# Altium PCB rezerv.PcbDoc (part 2 of 2) (continued)
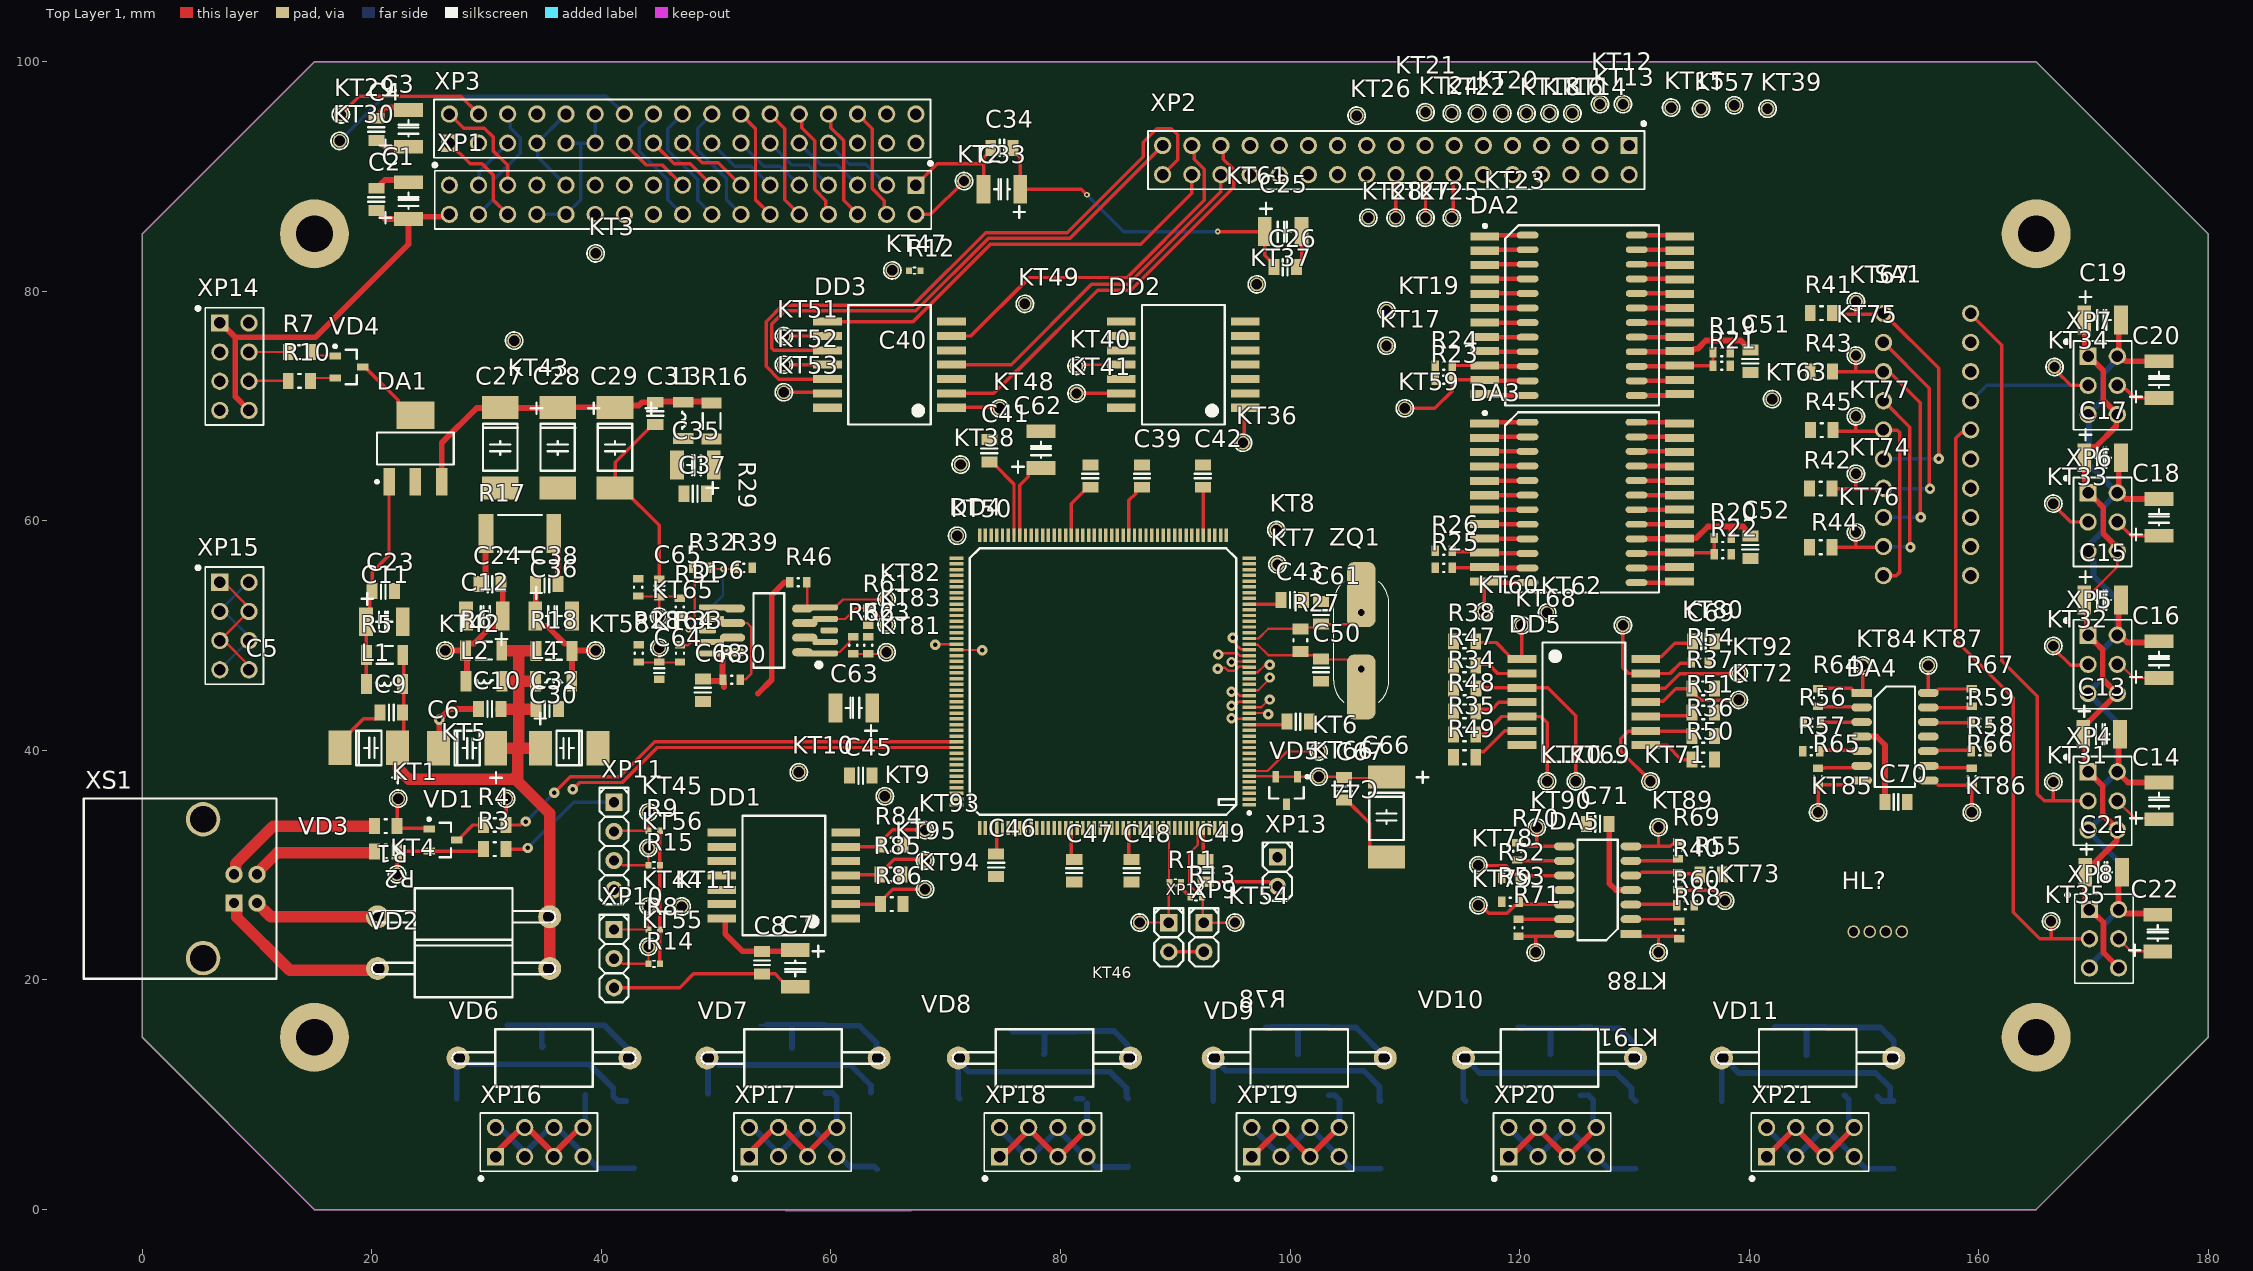
[diagram p0: Top Layer 1 view]
## Nets (pads, with @x,y where several pads share a name; then routed paths per layer and width w, separated by ;. In a path a pad name is that pad's centre, name@x,y a point inside that pad or via, vN(x,y) a via of type N, cw(c..) or ccw(c..) an arc to the next point about the centre after c; other vN are vias at no path point) (continued)
  Bottom Layer 1 w0.3: SA1.14@159.3,70.4 160.7,71.8 XP7.3@169.53,71.8
LEV_SYNC: C22.2 KT35.1 SA1.15 XP8.3 XP8.4 | length 58
  Top Layer 1 w0.2: XP8.4@172.185,23.588 173.285,22.488 C22.2@175.685,22.488
  Top Layer 1 w0.3: SA1.15@159.3,67.92 159.051,67.671 158.471,67.671 158,67.2 158,49.6 163,44.6 163,25.9 165.312,23.588 166.3,23.588 ; KT35.1@166.3,25.1 166.3,23.588 ; XP8.3@169.645,23.588 166.3,23.588
NetC11_2: C11.2 C23.2 DA1.1 L1.2 R5.2 | length 18.6
  Top Layer 1 w0.3: L1.2@19.525,45.8 19.525,45.725 19.5,45.7 C11.2@19.5,51.2 19.5,51.6 19.833,51.933 C23.2@19.833,53.9 ; C23.2@20.025,53.9 20.025,55.525 21.5,57 DA1.1@21.5,63.4
NetC53_2: C53.2 DA2.22 SA1.16
NetC54_2: C54.2 DA2.4 SA1.17
NetC55_2: C55.2 DA2.18 SA1.18
NetC56_2: C56.2 DA2.8 SA1.19
NetC57_2: C57.2 DA3.22 SA1.20
NetC58_2: C58.2 DA3.4
NetC59_2: C59.2 DA3.18
NetC60_2: C60.2 DA3.8
NetC64_2: C64.2 KT64.1 R28.2 R33.1 | length 4.9
  Top Layer 1 w0.2: R28.2@43.246,47.7 43.296,47.65 C64.2@45.046,47.65 ; KT64.1@45.046,48.95 C64.2@45.046,47.7 C64.2@45.046,47.65 ; R33.1@46.846,47.7 46.796,47.65 C64.2@45.046,47.65
NetC65_2: C65.2 KT65.1 R29.2 R31.1 | length 5.4
  Top Layer 1 w0.2: R29.2@43.246,53.35 43.296,53.4 C65.2@45.046,53.4 ; KT65.1@45.146,51.65 45.046,51.75 C65.2@45.046,53.4 ; R31.1@46.746,53.2 R31.1@46.746,53.25 ; R31.1@46.746,53.4 C65.2@45.046,53.4
NetC72_1: C72.1 R73.2 R88.1 VD6.A | length 20.9
  Bottom Layer 1 w0.5: R73.2@27.4,9.671 27.4,13.6 27.5,13.7 28.55,12.65 C72.1@34.8,12.65 38.95,12.65 41.043,10.557 41.043,9.85 41.443,9.45 R88.1@42.15,9.45
NetC72_2: C72.2 R72.2 R87.1 VD6.K | length 13.9
  Bottom Layer 1 w0.5: R72.2@31.8,16.05 34.8,16.05 ; C72.2@34.916,14.216 34.85,14.15 C72.2@34.8,14.15 34.8,16.05 ; VD6.K@42.5,13.7 42.6,13.7 40.25,16.05 37.4,16.05 34.8,16.05
NetC73_1: C73.1 R75.2 R90.1 VD7.A | length 19.2
  Bottom Layer 1 w0.5: 49.3,10.1 49.3,13.2 49.2,13.3 49.543,13.3 50.243,12.6 56.6,12.6 61.7,12.6 63.5,10.8 63.5,10.187
NetC73_2: C73.2 R74.2 R89.1 VD7.K | length 14.2
  Bottom Layer 1 w0.2: R74.2@53.8,16.05 54.35,16.05 R74.2@54.4,16.1 ; R89.1@59.45,16.1 R89.1@59.5,16.05
  Bottom Layer 1 w0.5: R74.2@54.4,16.1 56.6,16.1 ; C73.2@56.6,14.05 56.6,16.1 ; R89.1@59.45,16.1 56.6,16.1 ; R89.1@59.5,16.05 59.55,16 62.5,16 63.963,14.537 63.963,13.537 VD7.K@64.2,13.3
NetC74_1: C74.1 R77.2 R92.1 VD8.A | length 20.3
  Bottom Layer 1 w0.5: VD8.A@71.1,13.3 VD8.A@71.1,12.894 ; R77.2@71.2,9.65 71.1,9.75 VD8.A@71.1,12.894 ; 71.7,12.293 71.993,12 78.632,12 84.3,12 85.743,10.557 85.743,9.807 R92.1@85.9,9.65 ; 71.7,12.294 VD8.A@71.1,12.894
NetC74_2: C74.2 R76.2 R91.1 VD8.K | length 13.8
  Bottom Layer 1 w0.5: R76.2@75.794,15.548 75.842,15.5 78.7,15.5 ; C74.2@78.532,13.53 78.6,13.598 78.6,15.4 78.7,15.5 ; VD8.K@86.1,13.3 85.813,13.587 85.813,14.387 84.652,15.548 81.405,15.548 81.358,15.5 78.7,15.5
NetC75_1: C75.1 R79.2 R94.1 VD9.A | length 20.6
  Bottom Layer 1 w0.5: R79.2@93.3,9.45 93.3,9.6 VD9.A@93.3,13.2 94.4,12.1 106.4,12.1 107.8,10.7 107.8,9.5 107.85,9.45 R94.1@107.9,9.45
NetC75_2: C75.2 R78.2 R93.1 VD9.K | length 14
  Bottom Layer 1 w0.5: R78.2@97.9,15.85 98.35,15.85 98.4,15.9 100.8,15.9 ; C75.2@100.7,13.53 100.7,15.8 100.8,15.9 ; VD9.K@108.3,13.2 108.3,13.3 105.75,15.85 R93.1@103.4,15.85 103.35,15.9 100.8,15.9
NetC76_1: C76.1 R81.2 R96.1 VD10.A | length 20.8
  Bottom Layer 1 w0.5: R81.2@115.3,9.45 115.1,9.65 VD10.A@115.1,13.2 115.2,13.2 116.5,11.9 122.8,11.9 128.4,11.9 129.743,10.557 129.743,9.807 R96.1@130.1,9.45
NetC76_2: C76.2 R80.2 R95.1 VD10.K | length 14.3
  Bottom Layer 1 w0.5: R80.2@119.9,15.85 120.45,15.85 120.5,15.8 122.7,15.8 ; C76.2@122.7,13.55 122.7,15.8 ; VD10.K@130.1,13.2 129.963,13.337 129.963,14.537 128.7,15.8 126.3,15.8 126.25,15.85 R95.1@125.3,15.85 125.25,15.8 122.7,15.8
NetC77_1: C77.1 R83.2 R98.1 VD11.A | length 22.3
  Bottom Layer 1 w0.5: R83.2@137.6,9.45 VD11.A@137.6,13.2 137.8,13.2 139.1,11.9 151,11.9 152.3,10.6 152.3,9.5 R98.1@152.35,9.45 ; R98.1@151.15,9.85 151.55,9.45 R98.1@152.35,9.45 ; R98.1@152.6,9.45 R98.1@152.35,9.45
NetC77_2: C77.2 R82.2 R97.1 VD11.K | length 14.9
  Bottom Layer 1 w0.5: R82.2@142.2,15.85 142.25,15.9 145,15.9 ; C77.2@145,13.45 145,15.9 ; VD11.K@152.6,13.2 152.6,14.7 151.45,15.85 R97.1@147.7,15.85 146.75,15.85 146.7,15.9 145,15.9
NetDA2_10: DA2.10 R24.1 | length 3
  Top Layer 1 w0.3: R24.1@113.98,73.53 DA2.10@116.95,73.53
NetDA2_15: DA2.15 R19.2 R21.2 | length 4.1
  Top Layer 1 w0.2: DA2.15@133.95,73.53 DA2.15@133.98,73.5
  Top Layer 1 w0.3: DA2.15@133.98,73.5 R21.2@136.85,73.5 R19.2@136.85,74.7
NetDA3_10: DA3.10 R26.1 | length 2.9
  Top Layer 1 w0.2: R26.1@114.15,57.4 R26.1@114.25,57.3 ; DA3.10@116.864,57.3 DA3.10@116.936,57.229
  Top Layer 1 w0.3: R26.1@114.25,57.3 DA3.10@116.864,57.3
NetDA3_15: DA3.15 R20.2 R22.2 | length 4.5
  Top Layer 1 w0.2: R22.2@136.821,57.229 R22.2@136.95,57.1
  Top Layer 1 w0.3: DA3.15@133.936,57.229 R22.2@136.821,57.229 ; R22.2@136.95,57.1 R20.2@136.95,58.5
NetDA4_2: DA4.2 R47.1 R64.1 | length 4.1
  Top Layer 1 w0.2: R64.1@145.7,43.85 145.75,43.85 R64.1@145.8,43.8 ; DA4.2@149.74,43.8 DA4.2@149.8,43.74
  Top Layer 1 w0.3: R64.1@145.8,43.8 DA4.2@149.74,43.8
NetDA4_3: DA4.3 R41.1 R56.2 | length 3.6
  Top Layer 1 w0.3: R56.2@146.2,42.47 DA4.3@149.8,42.47
NetDA4_5: DA4.5 R42.1 R57.2 | length 3.7
  Top Layer 1 w0.2: R57.2@146.15,39.921 R57.2@146.229,40 ; DA4.5@149.73,40 DA4.5@149.8,39.93
  Top Layer 1 w0.3: R57.2@146.229,40 DA4.5@149.73,40
NetDA4_6: DA4.6 R48.1 R65.1 | length 3.4
  Top Layer 1 w0.3: 146.5,38.45 146.55,38.5 148.982,38.5 149.142,38.66 DA4.6@149.8,38.66
NetDA4_9: DA4.9 R49.1 R66.1 | length 4.2
  Top Layer 1 w0.3: DA4.9@155.6,38.66 156.258,38.66 156.418,38.5 159.65,38.5 R66.1@159.7,38.45
NetDA4_10: DA4.10 R43.1 R58.2 | length 3.6
  Top Layer 1 w0.2: DA4.10@155.6,39.93 155.73,39.93 DA4.10@155.8,40
  Top Layer 1 w0.3: DA4.10@155.8,40 R58.2@159.2,40
NetDA4_12: DA4.12 R44.1 R59.2 | length 3.8
  Top Layer 1 w0.2: DA4.12@155.6,42.47 156.03,42.47 DA4.12@156.1,42.4
  Top Layer 1 w0.3: DA4.12@156.1,42.4 R59.2@159.35,42.4
NetDA4_13: DA4.13 R50.1 R67.1 | length 3.9
  Top Layer 1 w0.2: DA4.13@155.6,43.74 155.86,43.74 DA4.13@155.9,43.7
  Top Layer 1 w0.3: DA4.13@155.9,43.7 R67.1@159.5,43.7
NetDA5_2: DA5.2 R51.1 R68.1 | length 4.2
  Top Layer 1 w0.2: DA5.2@129.7,25.29 133.79,25.29 133.8,25.3 R68.1@133.9,25.3
NetDA5_3: DA5.3 R45.1 R60.2 | length 4
  Top Layer 1 w0.2: DA5.3@129.7,26.56 DA5.3@129.74,26.6
  Top Layer 1 w0.3: DA5.3@129.74,26.6 R60.2@133.7,26.6
NetDA5_5: DA5.5 R40.1 R55.2 | length 6
  Top Layer 1 w0.2: R40.1@133.8,29.35 R40.1@133.9,29.25 ; R55.2@135.675,29.25 R55.2@135.725,29.2
  Top Layer 1 w0.3: DA5.5@129.7,29.1 130.326,29.1 130.626,29.4 R40.1@133.556,29.4 ; R40.1@133.9,29.25 R55.2@135.75,29.25
NetDA5_6: DA5.6 R69.2 | length 4.1
  Top Layer 1 w0.2: R69.2@133.72,30.37 R69.2@133.8,30.45
  Top Layer 1 w0.3: DA5.6@129.7,30.37 R69.2@133.72,30.37
NetDA5_8: DA5.8 KT90.1 R70.1 | length 5.9
  Top Layer 1 w0.3: R70.1@119.8,32 119.925,32 120.15,31.775 120.15,31.757 120.267,31.64 121.5,31.64 ; KT90.1@121.5,33.3 121.5,31.64 ; DA5.8@123.9,31.64 121.5,31.64
NetDA5_9: DA5.9 R70.2 | length 4.2
  Top Layer 1 w0.2: R70.2@119.8,30.5 R70.2@119.9,30.4 ; DA5.9@123.87,30.4 DA5.9@123.9,30.37
  Top Layer 1 w0.3: R70.2@119.9,30.4 DA5.9@123.87,30.4
NetDA5_10: DA5.10 KT78.1 R52.1 | length 8
  Top Layer 1 w0.3: KT78.1@116.4,30 116.428,29.972 118.807,29.972 119.579,29.2 119.775,29.2 R52.1@119.95,29.025 ; R52.1@119.95,28.9 120.122,29.072 121.578,29.072 123.872,29.072 DA5.10@123.9,29.1
NetDA5_12: DA5.12 KT79.1 R53.1 | length 8.4
  Top Layer 1 w0.3: KT79.1@116.4,26.5 116.6,26.5 117.3,25.8 118.9,25.8 119.6,26.5 119.775,26.5 119.95,26.675 R53.1@119.95,26.8 120.15,26.6 123.86,26.6 DA5.12@123.9,26.56
NetDA5_13: DA5.13 R71.2 | length 4
  Top Layer 1 w0.3: R71.2@119.9,25.3 123.8,25.3 123.81,25.29 DA5.13@123.9,25.29
NetDA5_14: DA5.14 KT91.1 R71.1 | length 5.3
  Top Layer 1 w0.3: R71.1@119.9,23.8 121.4,23.8 ; KT91.1@121.4,22.6 121.4,23.8 ; DA5.14@123.9,24.02 123.242,24.02 123.022,23.8 121.4,23.8
NetDD5_2: DD5.2 R47.2 | length 4.6
  Top Layer 1 w0.3: R47.2@116.175,47.1 116.175,47.175 116.5,47.5 117.3,47.5 118.1,46.7 DD5.2@120.2,46.7
NetDD5_4: DD5.4 R48.2 | length 4.5
  Top Layer 1 w0.3: R48.2@116.175,43.2 116.175,43.275 116.5,43.6 117.6,43.6 118.2,44.2 DD5.4@120.2,44.2
NetDD5_6: DD5.6 R49.2 | length 4.9
  Top Layer 1 w0.3: R49.2@116.175,39.7 116.368,39.893 116.893,39.893 118.7,41.7 DD5.6@120.2,41.7
NetDD5_8: DD5.8 R50.2 | length 4.5
  Top Layer 1 w0.3: DD5.8@131,40.45 132.85,40.45 134.1,39.2 R50.2@135.025,39.2
NetDD5_10: DD5.10 R51.2 | length 4.4
  Top Layer 1 w0.2: DD5.10@131,42.95 DD5.10@131.05,43 ; R51.2@134.8,43 R51.2@135.2,43.4
  Top Layer 1 w0.3: DD5.10@131.05,43 R51.2@134.8,43
NetDD5_12: DD5.12 KT92.1 | length 8.5
  Top Layer 1 w0.3: DD5.12@131,45.45 131.05,45.4 132.7,45.4 133.959,46.659 KT92.1@138.95,46.659
NetDD5_13: DD5.13 KT80.1 R54.1 | length 10.4
  Top Layer 1 w0.3: KT80.1@129,50.9 129,47.2 129.5,46.7 DD5.13@131,46.7 133.1,46.7 134,47.6 R54.1@135.1,47.6
NetDD6_1: DD6.1 R62.2 | length 4
  Top Layer 1 w0.2: DD6.1@59.498,48.45 DD6.1@59.096,48.45 59.222,48.576 60.772,48.576 61.622,49.426 61.622,49.675 61.847,49.9 R62.2@61.946,49.9
NetDD6_6: DD6.6 R30.2 R31.2 R32.1 | length 14.4
  Top Layer 1 w0.2: R31.2@46.896,51.85 47.446,51.85 47.846,51.45 48.146,51.45 ; R32.1@47.95,55.9 48.146,55.704 48.146,51.45 ; DD6.6@49.596,51.45 48.146,51.45 ; DD6.6@51.421,51.09 52.706,51.09 53.046,50.75 53.046,46.65 52.604,46.208 52.154,46.208 R30.2@52.096,46.15
NetDD6_7: DD6.7 R32.2 R33.2 R39.1 | length 12.9
  Top Layer 1 w0.2: R33.2@46.846,49.2 46.896,49.15 47.546,49.15 47.846,49.45 ; v2(47.6,50.5) 47.846,50.254 47.846,49.45 ; R32.2@49.45,55.9 49.55,55.8 v2(50.6,55.8) 51.55,55.8 R39.1@51.65,55.9 ; DD6.7@49.596,49.45 47.846,49.45
  Bottom Layer 1 w0.2: v2(47.6,50.5) 50.6,53.5 v2(50.6,55.8)
NetHL?_1: HL?.1 R85.1
NetHL?_2: HL?.2 R84.1
NetHL?_4: HL?.4 R86.1
NetKT2_1: KT2.1 XP1.2 | length 5.4
  Top Layer 1 w0.3: XP1.2@67.4,86.7 68.7,86.7 KT2.1@71.6,89.6
NetKT3_1: KT3.1 XP1.23
NetKT29_1: KT29.1 XP3.4 | length 13.3
  Top Layer 1 w0.3: KT29.1@17.3,95.4 18.9,97 27.74,97 XP3.4@29.3,95.44
NetKT30_1: KT30.1 XP3.14 | length 27.1
  Bottom Layer 1 w0.3: KT30.1@17.2,93.1 21.1,97 40.44,97 41.94,95.5 42,95.5 XP3.14@42,95.44
NetKT67_1: KT67.1 R41.2 SA1.1 SA1.6 | length 25.1
  Top Layer 1 w0.3: R41.2@147.275,78.1 147.375,78 149.3,78 ; KT67.1@149.3,79.1 149.3,78 ; v1(156.513,65.397) 156.5,65.41 156.5,73.28 SA1.1@151.7,78.08 151.62,78 149.3,78
  Bottom Layer 1 w0.3: SA1.6@151.7,65.38 151.72,65.4 156.51,65.4 v1(156.513,65.397)
NetKT74_1: KT74.1 R42.2 SA1.2 SA1.7 | length 24.3
  Top Layer 1 w0.3: R42.2@147.2,62.8 149.3,62.8 ; KT74.1@149.3,64.1 149.3,62.8 ; SA1.7@151.7,62.84 151.66,62.8 149.3,62.8 ; SA1.2@151.7,75.54 155.7,71.54 155.7,62.85 v1(155.75,62.8)
  Bottom Layer 1 w0.2: SA1.7@151.7,62.84 SA1.7@151.74,62.8
  Bottom Layer 1 w0.3: SA1.7@151.74,62.8 v1(155.75,62.8)
NetKT75_1: KT75.1 R43.2 SA1.3 SA1.8 | length 23.3
  Top Layer 1 w0.3: R43.2@147.275,73 149.3,73 SA1.3@151.7,73 151.93,72.77 152.43,72.77 154.9,70.3 v1@154.9,60.339 ; 149.3,73.1 KT75.1@149.3,74.4
  Bottom Layer 1 w0.3: SA1.8@151.7,60.3 v1(154.95,60.3)
NetKT76_1: KT76.1 R44.2 SA1.4 SA1.9 | length 21.9
  Top Layer 1 w0.2: SA1.9@151.64,57.7 SA1.9@151.7,57.76
  Top Layer 1 w0.3: R44.2@147.2,57.7 149.3,57.7 SA1.9@151.64,57.7 ; 149.3,57.8 KT76.1@149.3,59 ; SA1.4@151.7,70.46 154,68.16 v1@154,57.7
  Bottom Layer 1 w0.2: SA1.9@151.67,57.73 SA1.9@151.7,57.76 ; v1@154.02,57.73 v1(154.05,57.7)
  Bottom Layer 1 w0.3: SA1.9@151.67,57.73 v1@154.02,57.73
NetKT77_1: KT77.1 R45.2 SA1.5 SA1.10 | length 21
  Top Layer 1 w0.3: R45.2@147.3,67.9 147.4,67.8 149.3,67.8 ; KT77.1@149.3,69.1 149.3,67.8 ; SA1.10@151.7,55.22 152.82,55.22 153.1,55.5 153.1,67.7 152.9,67.9 151.7,67.9 SA1.5@151.7,67.92 151.58,67.8 149.3,67.8
NetR1_1: R1.1 XS1.2 | length 14.3
  Top Layer 1 w1: XS1.2@8,29.2 8.133,29.333 8.133,30.133 11.4,33.4 R1.1@20.125,33.4
NetR2_1: R2.1 XS1.3 | length 11.2
  Top Layer 1 w1: XS1.3@10,29.2 10,29.325 11.775,31.1 20.2,31.1 20.2,31.175 R2.1@20.225,31.2
NetR7_1: R7.1 XP14.4 XP14.5 | length 7
  Top Layer 1 w0.2: XP14.4@9.3,74.7 R7.1@12.725,74.7
  Signal1 w0.3: XP14.5@6.76,72.16 XP14.4@9.3,74.7
NetR10_1: R10.1 XP14.3 XP14.6 | length 7
  Top Layer 1 w0.2: XP14.6@9.3,72.16 9.34,72.2 R10.1@12.725,72.2
  Signal2 w0.3: XP14.3@6.76,74.7 XP14.6@9.3,72.16
NetR28_1: R28.1 XP15.2 XP15.3 XP15.6 XP15.7 | length 10.7
  Bottom Layer 1 w0.2: XP15.7@6.923,47.223 9.38,49.68 9.38,49.846 6.996,52.23 6.996,52.396 9.443,54.843 XP15.2@9.463,54.843
NetR29_1: R29.1 XP15.1 XP15.4 XP15.5 XP15.8 | length 10.6
  Top Layer 1 w0.2: XP15.1@6.923,54.843 9.4,52.366 9.4,52.2 7.026,49.826 7.026,49.66 XP15.8@9.463,47.223
NetR87_2: R87.2 XP16.1 XP16.4 XP16.5 XP16.8 | length 13.6
  Top Layer 1 w0.5: XP16.1@30.78,4.9 31.43,5.55 31.46,5.55 XP16.4@33.32,7.41 ; XP16.4@33.32,7.44 XP16.4@33.32,7.41 ; XP16.8@38.4,7.44 38.4,7.4 35.9,4.9 35.86,4.9 35.8,4.9 33.32,7.38 XP16.4@33.32,7.41
  Bottom Layer 1 w0.2: XP16.8@38.4,7.44 XP16.8@38.6,7.64 ; R87.2@38.6,10 R87.2@38.7,10.1
  Bottom Layer 1 w0.5: XP16.8@38.6,7.64 R87.2@38.6,10
NetR88_2: R88.2 XP16.2 XP16.3 XP16.6 XP16.7 | length 16
  Bottom Layer 1 w0.5: XP16.2@30.78,7.44 30.78,7.48 30.8,7.5 33.32,4.98 XP16.3@33.32,4.92 ; XP16.3@33.32,4.9 33.3,4.9 XP16.3@33.32,4.92 ; R88.2@42.87,3.6 39.719,3.6 39.12,4.199 39.072,4.199 38.419,4.851 38.419,4.9 38.4,4.9 35.86,7.44 35.84,7.44 XP16.3@33.32,4.92
NetR89_2: R89.2 XP17.1 XP17.4 XP17.5 XP17.8 | length 14.2
  Top Layer 1 w0.5: XP17.1@52.89,4.93 53.39,5.43 55.43,7.47 57.97,4.93 XP17.8@60.51,7.47
  Bottom Layer 1 w0.5: R89.2@59.5,10.15 60.11,10.15 60.51,9.75 XP17.8@60.51,7.47
NetR90_2: R90.2 XP17.2 XP17.3 XP17.6 XP17.7 | length 15
  Bottom Layer 1 w0.5: XP17.2@52.89,7.47 55.43,4.93 55.53,4.93 58,7.4 57.97,7.43 57.97,7.47 60.51,4.93 60.51,4.871 61.643,3.738 63.77,3.738 R90.2@64.008,3.5
NetR91_2: R91.2 XP18.1 XP18.4 XP18.5 XP18.8 | length 13.9
  Top Layer 1 w0.5: XP18.1@74.69,4.43 74.69,4.41 74.7,4.4 74.7,4.44 75.19,4.93 75.23,4.93 77.23,6.93 77.23,6.97 77.27,6.97 77.3,7 79.77,4.53 XP18.5@79.77,4.47 ; XP18.5@79.77,4.43 79.74,4.4 79.7,4.4 XP18.5@79.77,4.47 ; XP18.8@82.31,6.97 82.27,6.97 XP18.5@79.77,4.47
  Bottom Layer 1 w0.5: R91.2@81.405,9.648 R91.2@81.91,9.648 ; XP18.8@82.31,6.97 82.31,9.248
NetR92_2: R92.2 XP18.2 XP18.3 XP18.6 XP18.7 | length 14.8
  Bottom Layer 1 w0.5: XP18.2@74.69,6.97 74.69,6.99 74.7,7 77.23,4.47 77.23,4.43 79.77,6.97 82.31,4.43 82.31,4.41 82.3,4.4 82.403,4.4 83.103,3.7 85.85,3.7 R92.2@85.9,3.75
NetR93_2: R93.2 XP19.1 XP19.4 XP19.5 XP19.8 | length 14.3
  Top Layer 1 w0.5: XP19.1@96.66,4.6 97.31,5.25 97.35,5.25 XP19.4@99.2,7.1 ; XP19.4@99.2,7.14 XP19.4@99.2,7.1 ; XP19.8@104.28,7.14 104.24,7.14 101.74,4.64 XP19.5@101.74,4.6 101.7,4.6 XP19.4@99.2,7.1
  Bottom Layer 1 w0.5: R93.2@103.4,9.95 103.9,9.95 104.3,9.55 104.3,7.16 XP19.8@104.28,7.14
NetR94_2: R94.2 XP19.2 XP19.3 XP19.6 XP19.7 | length 14.9
  Bottom Layer 1 w0.5: XP19.2@96.66,7.14 XP19.3@99.2,4.6 XP19.6@101.7,7.1 ; XP19.6@101.74,7.14 XP19.6@101.7,7.1 ; XP19.7@104,4.7 104.1,4.6 XP19.7@104.28,4.6 105.33,3.55 R94.2@107.9,3.55 ; XP19.7@104.09,4.79 101.78,7.1 XP19.6@101.7,7.1
NetR95_2: R95.2 XP20.1 XP20.4 XP20.5 XP20.8 | length 14.7
  Top Layer 1 w0.5: XP20.1@119.06,4.6 119.56,5.1 119.7,5.1 121.6,7 XP20.4@121.6,7.07 ; XP20.4@121.6,7.14 XP20.4@121.6,7.07 ; XP20.8@126.68,7.14 126.68,7.08 124.14,4.54 XP20.5@124.14,4.6 124.07,4.6 XP20.4@121.6,7.07
  Bottom Layer 1 w0.5: R95.2@125.3,9.95 126.007,9.95 126.407,9.55 126.407,7.683 126.68,7.411 XP20.8@126.68,7.14
NetR96_2: R96.2 XP20.2 XP20.3 XP20.6 XP20.7 | length 14.7
  Bottom Layer 1 w0.5: XP20.2@119.06,7.14 XP20.3@121.6,4.6 XP20.6@124.14,7.14 124.16,7.14 XP20.7@126.68,4.62 ; XP20.7@126.68,4.6 XP20.7@126.68,4.62 ; R96.2@130.1,3.55 127.75,3.55 XP20.7@126.68,4.62
NetR97_2: R97.2 XP21.1 XP21.4 XP21.5 XP21.8 | length 14
  Top Layer 1 w0.5: XP21.1@141.52,4.6 141.5,4.6 142.15,5.25 142.17,5.25 XP21.4@144.01,7.09 ; XP21.4@144.06,7.14 144.04,7.14 144,7.1 XP21.4@144.01,7.09 ; XP21.8@149.14,7.14 XP21.5@146.6,4.6 146.5,4.6 XP21.4@144.01,7.09
  Bottom Layer 1 w0.5: R97.2@148.307,9.95 148.674,9.583 148.674,7.876 149.14,7.411 XP21.8@149.14,7.14
NetR98_2: R98.2 XP21.2 XP21.3 XP21.6 XP21.7 | length 14.8
  Bottom Layer 1 w0.5: XP21.2@141.52,7.14 141.52,7.12 141.5,7.1 144,4.6 XP21.3@144.06,4.6 144.1,4.6 146.6,7.1 XP21.6@146.6,7.12 ; XP21.6@146.6,7.14 XP21.6@146.6,7.12 ; XP21.7@149.14,4.6 XP21.7@149.12,4.6 ; R98.2@152.6,3.55 150.17,3.55 XP21.7@149.12,4.6 ; XP21.6@146.6,7.12 XP21.7@149.12,4.6
NetVD2_A: VD2.A XS1.1 | length 15.6
  Top Layer 1 w1: XS1.1@8,26.7 8.25,26.45 8.25,25.45 12.858,20.842 20.342,20.842 VD2.A@20.5,21
NRST: DD4.31 KT47.1 R12.2 XP1.24 XP3.29 XP13.1
OTG_FS_DM: DD4.122 KT1.1 R1.2 VD1.K1 | length 54.4
  Top Layer 1 w0.2: R1.2@22.2,33.4 R1.2@22.4,33.2
  Top Layer 1 w0.3: R1.2@22.2,33.4 KT1.1@22.2,35.5 ; R1.2@22.4,33.2 23.65,33.2 VD1.K1@24.9,33.2 ; v1(37.5,36.6) 38.1,37.2 41.807,37.2 44.857,40.25 DD4.122@70.95,40.25
  Signal2 w0.3: v3(23.7,34.7) 35.6,34.7 v1(37.5,36.6)
OTG_FS_DP: DD4.123 KT4.1 R2.2 R3.2 VD1.K2 | length 9.2
  Top Layer 1 w0.2: R2.2@22.175,31.2 R2.2@22.2,31.175
  Top Layer 1 w0.3: KT4.1@22.2,29.2 22.2,31.175 R2.2@22.2,31.375 ; R2.2@22.6,31.2 VD1.K2@24.8,31.2 ; VD1.K2@25,31.25 25.05,31.2 29.525,31.2 R3.2@29.725,31.4
OTG_FS_ID: DD4.121 KT5.1 R4.2 | length 44.5
  Top Layer 1 w0.2: R4.2@31.675,33.5 R4.2@31.7,33.525
  Top Layer 1 w0.3: R4.2@31.675,33.5 32.938,33.5 33.238,33.8 v1(33.4,33.8) ; R4.2@31.7,33.525 KT5.1@31.7,35.7 ; v1(35.9,36.3) 37.3,37.7 41.6,37.7 44.65,40.75 DD4.121@70.95,40.75
  Bottom Layer 1 w0.3: v1(33.4,33.8) v1(35.9,36.3)
OUT_CH1(1): DA4.1 KT84.1 R64.2 R72.1 | length 6.8
  Top Layer 1 w0.2: DA4.1@149.8,45.01 DA4.1@149.9,45.11
  Top Layer 1 w0.3: R64.2@145.7,45.35 145.7,45.4 148.883,45.4 149,45.283 149,45.26 149.25,45.01 DA4.1@149.8,45.01 ; DA4.1@149.9,45.11 KT84.1@149.9,47.4
OUT_CH1(2): DA4.8 KT86.1 R66.2 R76.1 | length 6.3
  Top Layer 1 w0.3: DA4.8@155.6,37.39 156.024,37.39 156.464,36.95 R66.2@159.4,36.95 KT86.1@159.4,34.6
OUT_CH2(1): DA4.7 KT85.1 R65.2 R74.1 | length 6.2
  Top Layer 1 w0.3: KT85.1@146,34.6 R65.2@146,36.95 ; R65.2@146.1,37 148.8,37 149.19,37.39 DA4.7@149.8,37.39
OUT_CH2(2): DA4.14 KT87.1 R67.2 R78.1 | length 6
  Top Layer 1 w0.3: KT87.1@155.6,47.4 DA4.14@155.6,45.01 156.177,45.01 156.517,45.35 R67.2@159.05,45.35
OUT_SYNC: DA5.1 KT88.1 R68.2 R80.1 | length 5.7
  Top Layer 1 w0.3: DA5.1@129.7,24.02 129.92,23.8 132.1,23.8 ; KT88.1@132.1,22.4 132.1,23.8 ; R68.2@133.9,23.8 132.1,23.8
PDR_ON: DD4.171 KT54.1 R13.2 XP9.1 | length 11.8
  Top Layer 1 w0.2: DD4.171@91.95,33.25 91.95,31.75 91.2,31 91.2,28.3 92.125,27.375 92.15,27.375 92.3,27.225 R13.2@92.3,27.2 92.4,27.1 92.4,25.083 XP9.1@92.495,24.988 95.188,24.988 KT54.1@95.2,25
PULSE_CH1(1): DD4.138 DD5.1 KT68.1 R38.1 | length 7.7
  Top Layer 1 w0.3: R38.1@116.175,49.5 116.275,49.4 117.954,49.4 119.1,48.254 119.1,48.15 119.3,47.95 DD5.1@120.2,47.95 KT68.1@120.2,50.9
PULSE_CH1(2): DD4.161 DD5.5 KT70.1 R35.1 | length 12.2
  Top Layer 1 w0.3: R35.1@116.175,41.4 116.9,41.4 118.45,42.95 DD5.5@120.2,42.95 121.85,42.95 122.4,42.4 KT70.1@122.4,37.3
PULSE_CH2(1): DD4.40 DD5.3 KT69.1 R34.1 | length 15.4
  Top Layer 1 w0.3: R34.1@116.2,45.4 116.25,45.45 DD5.3@120.2,45.45 122.45,45.45 124.9,43 KT69.1@124.9,37.3
PULSE_CH2(2): DD4.41 DD5.9 KT71.1 R36.1 | length 11.5
  Top Layer 1 w0.3: KT71.1@131.4,37.3 131.4,37.343 128.821,39.921 128.821,41.021 129.476,41.676 131,41.676 134.7,41.676 135.025,41.351 R36.1@135.025,41.256
PULSE_SYNC: DD4.164 DD5.11 KT72.1 R37.1 | length 9.2
  Top Layer 1 w0.3: DD5.11@131,44.2 131.09,44.29 132.524,44.29 133.601,45.367 134.992,45.367 R37.1@135.025,45.4 135.35,45.075 135.35,44.818 135.818,44.35 137.595,44.35 137.612,44.367 139.067,44.367 KT72.1@139.1,44.4
RCC_OSC_IN: C50.2 DD4.29 R27.2 ZQ1.2 | length 10.4
  Top Layer 1 w0.2: DD4.29@96.45,49.25 96.487,49.213 97.187,49.213 98.1,48.3 R27.2@100.2,48.3 ; R27.2@100.675,48.4 R27.2@100.9,48.625 ; R27.2@100.9,48.3 102.375,48.3 C50.2@102.7,47.975 102.758,47.917 105.014,47.917 105.056,47.876 105.456,47.876 ZQ1.2@106.282,47.05
RCC_OSC_OUT: C61.2 DD4.30 R27.1 ZQ1.1 | length 10.8
  Top Layer 1 w0.2: DD4.30@96.45,49.75 97.25,49.75 98.1,50.6 100.7,50.6 100.8,50.7 100.9,50.7 102.375,50.7 C61.2@102.7,51.025 102.975,51.025 103,51 105.047,51 ZQ1.1@105.997,51.95 ; ZQ1.1@105.916,52 ZQ1.1@106.2,52
RS485_DI: DD4.42 DD6.4 KT82.1 R46.2 | length 9.4
  Top Layer 1 w0.2: R46.2@57.896,54.65 57.946,54.6 57.946,52.55 58.046,52.45 DD6.4@59.096,52.45 60.346,52.45 61.046,53.15 KT82.1@64.846,53.15
RS485_EN: DD4.119 DD6.2 DD6.3 KT83.1 R61.2 | length 6.4
  Top Layer 1 w0.2: DD6.3@59.496,51.45 61.246,51.45 62.196,52.4 R61.2@63.246,52.4 63.496,52.4 63.546,52.35 63.546,52.225 63.596,52.175 63.721,52.175 KT83.1@64.846,51.05
RS485_RO: DD4.47 KT81.1 R62.1 R63.2 | length 2.8
  Top Layer 1 w0.2: R62.1@61.946,48.4 R63.2@63.246,48.4 KT81.1@64.696,48.4
SDIO: DD4.124 KT56.1 R10.2 R15.1 VD4.K2 XP11.3 | length 6.9
  Top Layer 1 w0.2: R10.2@14.675,72.2 14.925,72.45 VD4.K2@16.8,72.45 ; XP11.3@41.1,30.4 41.452,30.4 41.852,30 R15.1@44.1,30 KT56.1@44.1,31.5
SHCP_CLK: DA2.14 DA3.14 DD4.51 KT63.1
STCP_CS0: DA2.11 DD4.50 KT59.1 R23.1 | length 8.5
  Top Layer 1 w0.2: R23.1@114.15,72.28 R23.1@114.15,72.3
  Top Layer 1 w0.3: KT59.1@110,69.8 112.6,69.8 114.15,71.35 114.15,72.28 DA2.11@116.95,72.28
STCP_CS1: DA3.11 DD4.56 KT62.1 R25.1 | length 2.8
  Top Layer 1 w0.2: DA3.11@116.4,55.9 116.479,55.979 DA3.11@116.936,55.979
  Top Layer 1 w0.3: R25.1@114.15,55.9 DA3.11@116.4,55.9
SWCLK: DD4.137 KT45.1 R7.2 R9.1 VD4.K1 XP11.2 | length 6.9
  Top Layer 1 w0.2: R7.2@14.675,74.7 14.975,74.4 16.75,74.4 VD4.K1@16.8,74.35 ; XP11.2@41.1,32.94 41.1,33 R9.1@44.1,33 KT45.1@44.1,34.6
TP_CS: DD4.54 XP1.30 XP3.1 | length 8.9
  Top Layer 1 w0.3: XP3.1@26.76,92.9 28.56,91.1 29.6,91.1 30.6,90.1 30.6,87.94 XP1.30@31.84,86.7
TP_IRQ: DD4.55 XP1.27 XP3.3 | length 6.6
  Signal1 w0.3: XP3.3@29.3,92.9 31.13,91.07 32.55,91.07 XP1.27@34.38,89.24
TP_MISO: DD4.94 XP1.31 XP3.5 | length 4.7
  Bottom Layer 1 w0.3: XP1.31@29.3,89.24 29.38,89.32 29.38,90.44 XP3.5@31.84,92.9
TP_MOSI: DD4.95 XP1.32 XP3.6 | length 10.7
  Bottom Layer 1 w0.3: XP1.32@29.3,86.7 30.6,88 30.6,89.7 32.94,92.04 32.94,93.356 32.056,94.24 32.056,95.224 XP3.6@31.84,95.44
TP_SCK: DD4.93 XP1.29 XP3.2 | length 9.4
  Top Layer 1 w0.3: XP3.2@26.76,95.44 28,94.2 29.8,94.2 30.6,93.4 30.6,92.202 31.84,90.962 XP1.29@31.84,89.24
USART1_RX: DD4.165 KT55.1 R14.1 XP10.2 | length 4.7
  Top Layer 1 w0.2: XP10.2@41.1,21.86 41.1,21.8 41.467,21.8 41.867,21.4 R14.1@44.1,21.4 KT55.1@44.1,22.9
USART1_TX: DD4.120 KT44.1 R8.1 XP10.1 | length 5
  Top Layer 1 w0.2: XP10.1@41.1,24.4 R8.1@44.1,24.4 KT44.1@44.1,26.4
VBAT: C66.2 C67.2 DD4.6 KT66.1 VD5.K1 VD5.K2 | length 12.1
  Top Layer 1 w0.2: DD4.6@96.45,37.75 98.7,37.75 VD5.K2@98.75,37.7 VD5.K1@100.65,37.7 KT66.1@102.5,37.7 104.62,37.7 C67.2@104.692,37.628 104.872,37.628 104.9,37.6 108.3,37.6 C66.2@108.4,37.7
VCAP_1: C62.2 DD4.81 | length 6.8
  Top Layer 1 w0.3: DD4.81@76.45,58.75 76.45,63.089 77.2,63.839 77.2,64.15 77.75,64.7 C62.2@78.061,64.7
VCAP_2: C63.2 DD4.125
pads on no net: DD4.1 DD4.2 DD4.3 DD4.4 DD4.5 DD4.8 DD4.9 DD4.10 DD4.11 DD4.12 DD4.32 DD4.33 DD4.34 DD4.35 DD4.57 DD4.58 DD4.66 DD4.79 DD4.80 DD4.92 DD4.99 DD4.100 DD4.101 DD4.106 DD4.107 DD4.108 DD4.110 DD4.111 DD4.112 DD4.115 DD4.116 DD4.117 DD4.118 DD4.134 DD4.139 DD4.140 DD4.141 DD4.144 DD4.145 DD4.150 DD4.151 DD4.152 DD4.153 DD4.154 DD4.155 DD4.156 DD4.160 DD4.162 DD4.163 DD4.167 DD4.169 DD4.170 DD4.173 DD4.174 DD4.175 DD4.176 DD6.9 DD6.10 XP3.8 XS1.

## Polygon pours and split planes (outlines as drawn)
GND on Bottom Layer 1 "NONET_L04_P000" (solid, shelved, pour order 0): 0,85 15,100 165,100 180,85 180,15 165,0 15,0 0,15

## Keep-outs
Keep-Out Layer:
  lines w0.1: 56,-0.1 58,-0.1 ; 67,-0.1 58,-0.1 ; 58,-0.1 58,-0.1 ; 0,15 0,85 15,100 165,100 180,85 180,15 165,0 15,0 0,15

## Silkscreen, mask and mechanical layers (free items; w line width, h text height)
Mechanical 2:
  text "o" at 125.354,41.154 h1
  text "o" at 86.954,30.054 h1
  text "+" at 110.854,27.8 h1
  text "o" at 111.254,18.354 h1
  text "o" at 102.954,18.254 h1
  text "+" at 115.854,17.3 h1
  text "+" at 17.454,13 h1
  text "o" at 22.254,1.554 h1
  text "+" at 49.085,1.504 h1
  text "+" at 10.885,1.004 h1

## Text inside footprints (layer, text, board x,y; h text height)
VD2: Mechanical 3 "+" at 24.2,20 h2
VD3: Mechanical 3 "+" at 24.2,24.5 h2
VD6: Mechanical 3 "+" at 31.2,12.2 h2
VD7: Mechanical 3 "+" at 52.9,12.2 h2
VD8: Mechanical 3 "+" at 74.8,12.2 h2
VD9: Mechanical 3 "+" at 97,12.2 h2
VD10: Mechanical 3 "+" at 118.8,12.2 h2
VD11: Mechanical 3 "+" at 141.3,12.2 h2